# Altium PCB Beagle93.PCBDOC (part 7 of 7)
Units mm, origin at the board's own origin, x right, y up, seen from the top; angles counter-clockwise.
Board outline 86.3 x 85.3 mm, 6 copper layers (TopLayer, MidLayer1, MidLayer2, SignalLayer1, Internal Plane 1, BottomLayer), stack 1.528 mm thick; 387 components, 325 nets, 1796 pads, 884 vias.
Unrouted connection lines stored in the file: 7.
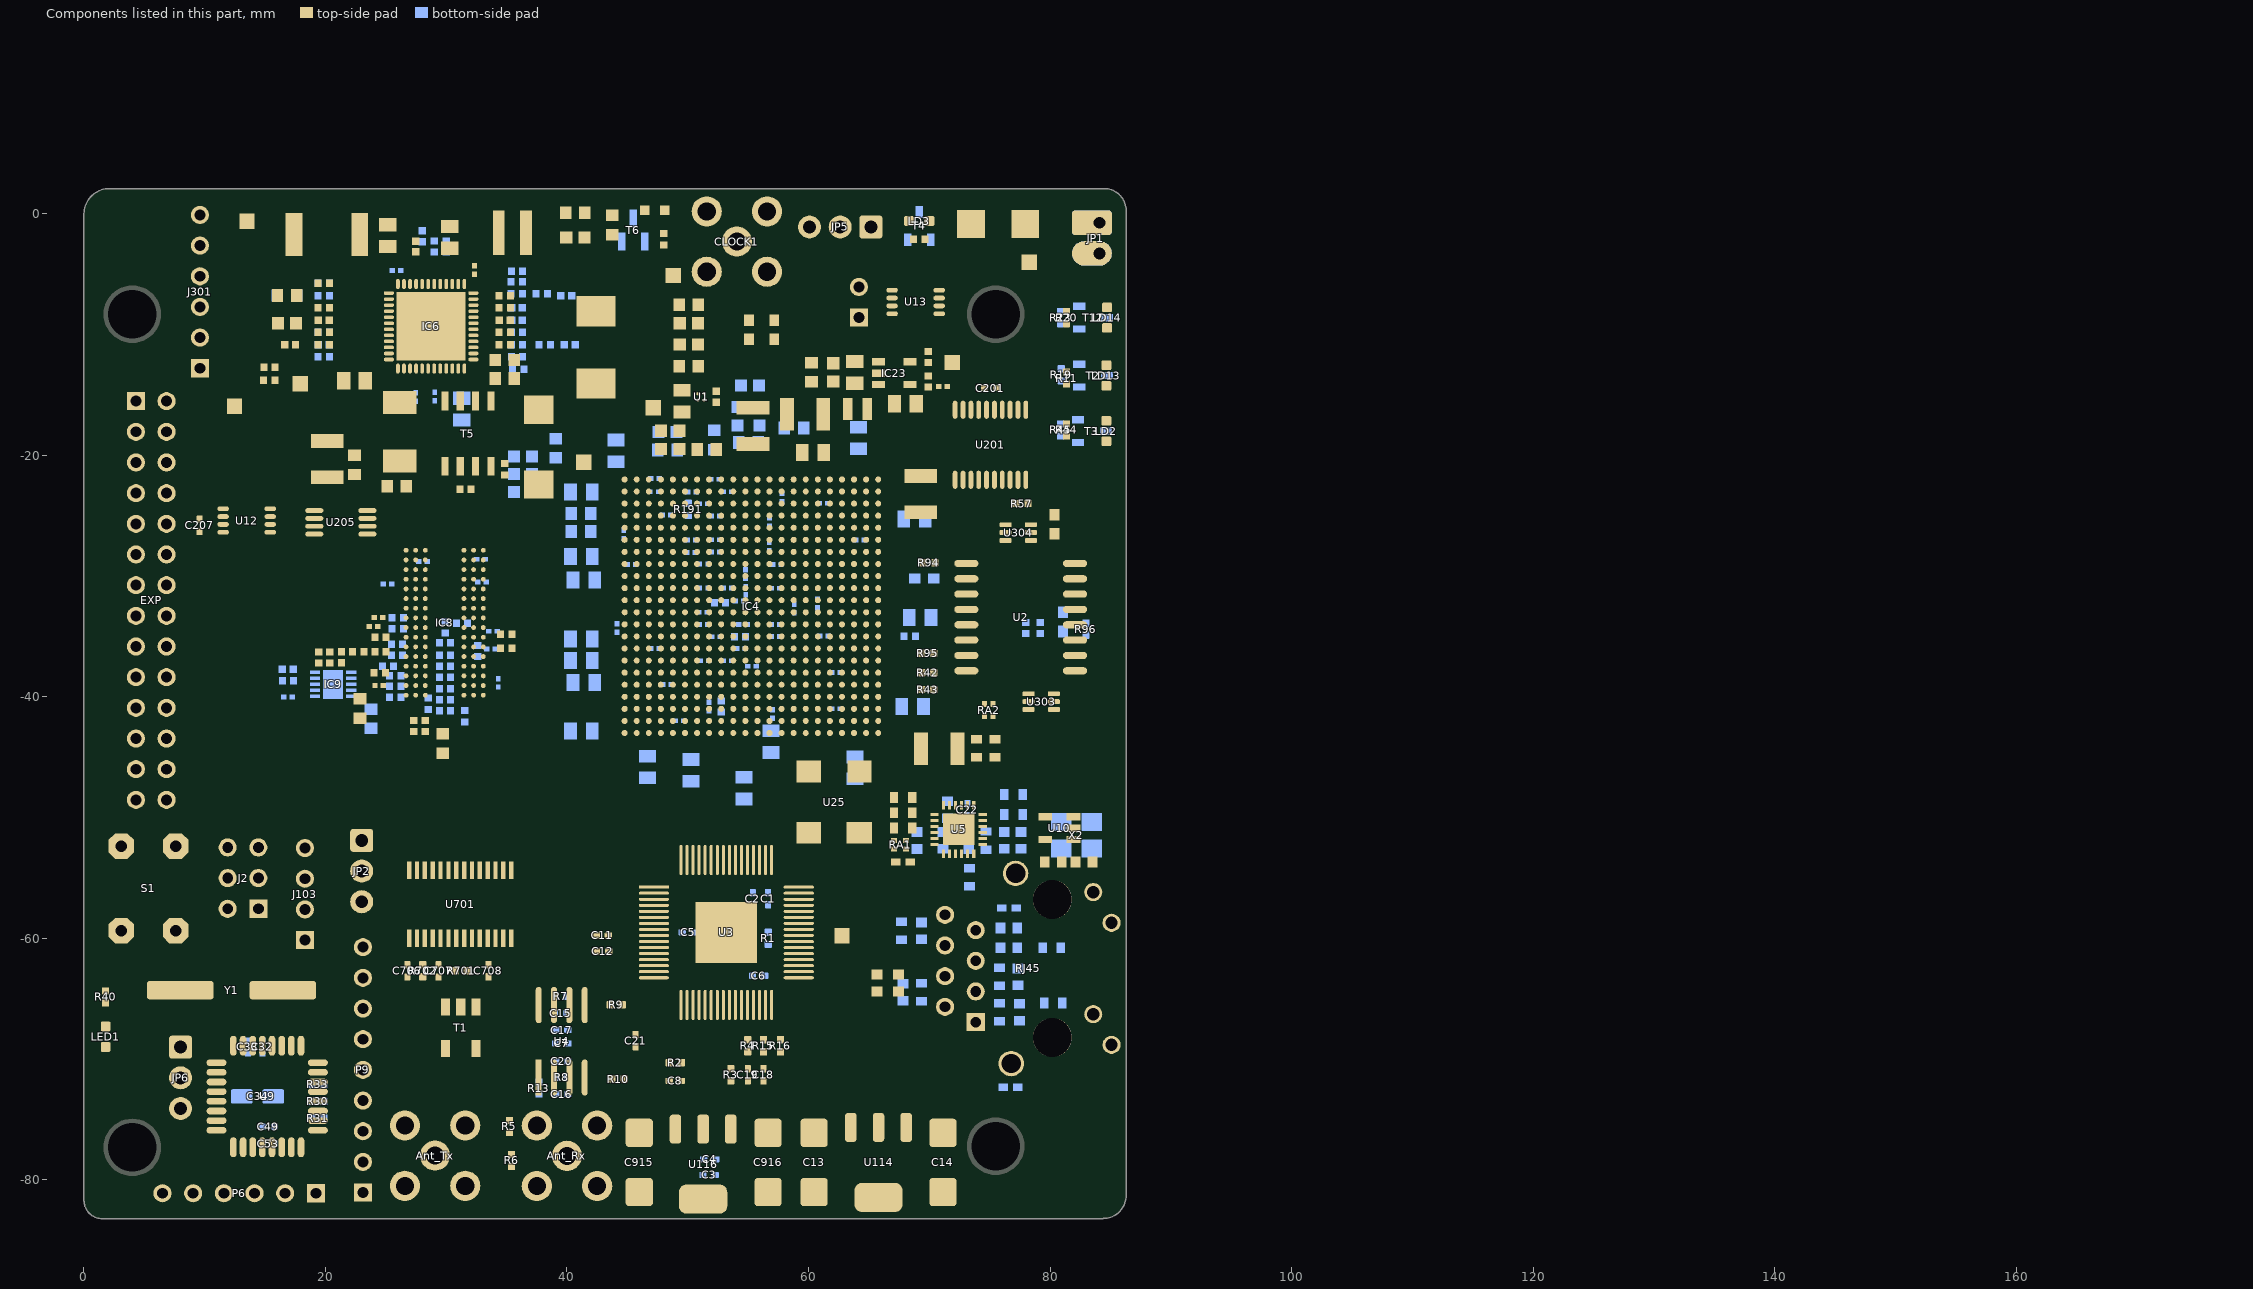
[diagram p11: the components of this part, seen from the top]

## Polygon pours and split planes (outlines as drawn) (continued)
NetC145_2 on BottomLayer "NETC145_2_L06_P157" (solid, pour order 89): 21.65,-16.05 18.895,-16.05 18.895,-10.3 20.139,-10.3 20.139,-12.3 21.4,-12.3 21.65,-12.55
NetC150_1 on BottomLayer "NETC150_1_L06_P158" (solid, remove dead copper, pour order 90): 19.9,-9.3 19.9,-12.3 21.094,-12.3 21.476,-11.05 24.65,-11.05 24.65,-9.3
P1V5 on BottomLayer "P1V5_L06_P152" (solid, remove dead copper, pour order 84): 43.65,-28.933 41.346,-28.933 41.4,-22.3 42.65,-22.3 43.65,-23.3
GND on BottomLayer "GND_L06_P171" (solid, pour order 93): 40.9,-29.05 38.9,-29.05 37.15,-27.3 37.15,-25.55 40.9,-22.55
MGTAVCC on BottomLayer "MGTAVCC_L06_P154" (solid, remove dead copper, pour order 86): 48.65,-17.55 48.65,-20.05 50.4,-20.05 51.65,-18.8 51.65,-17.55
NetC145_2 on BottomLayer "NETC145_2_L06_P155" (solid, remove dead copper, pour order 87): 36.15,-24 36.15,-19.05 46.4,-19.05 48.344,-19.05 48.344,-17.381 53.473,-17.242 53.473,-14.971 54.918,-14.971 54.918,-13.422 48.547,-13.29 46.4,-15.437 33.9,-15.437 33.9,-16.05 33.9,-19.189 29.941,-19.189 29.15,-18.755 28.611,-17.99 24.517,-18.164 24.517,-24
MGTAVTT on BottomLayer "MGTAVTT_L06_P156" (solid, pour order 88): 53.4,-20.3 46.9,-20.3 46.9,-24.3 54.65,-24.3 54.65,-21.55
VCCBRAM on BottomLayer "VCCBRAM_L06_P161" (solid, pour order 91): 56.272,-25.826 58.4,-22.8 58.4,-13.3 55.395,-13.3 54.871,-26.603 54.871,-28.748 53.877,-29.494 53.877,-34.3 56.272,-34.3
GND on BottomLayer "GND_L06_P176" (solid, pour order 94): 21.65,-11.3 24.65,-11.3 24.65,-15.8 23.65,-16.8 21.9,-16.8 21.9,-12.55 21.649,-12.299
P1V8 on BottomLayer "Bottom Layer-No Net 1" (solid, pour order 48): -0.038,-13.715 -0.018,-13.735 4.702,-13.735 8.022,-13.735 8.982,-14.695 10.342,-16.055 19.662,-16.055 21.776,-16.055 21.776,-16.907 23.712,-16.907 24.704,-15.816 24.65,-12.299 24.704,-12.245 30.202,-12.245 32.752,-12.245 34.152,-13.645 40.152,-13.645 44.302,-13.645 45.952,-11.995 50.912,-7.035 57.022,-7.035 60.312,-7.035 64.752,-11.475 65.492,-12.215 65.492,-15.495 65.492,-16.375 65.392,-16.475 65.169,-16.698 58.4,-16.698 58.4,-13.3 58.4,-13.4 48.572,-13.369 48.516,-13.369 48.452,-13.305 46.352,-15.405 45.412,-15.405 33.993,-15.405 31.891,-13.303 31.755,-13.167 28.719,-13.167 28.714,-17.826 28.714,-17.933 28.532,-18.115 28.382,-18.265 22.452,-18.265 21.512,-18.265 19.502,-20.275 19.042,-20.735 19.042,-23.475 19.042,-24.535 18.472,-25.105 17.742,-25.835 -0.038,-25.835
P1V8 on BottomLayer "Bottom Layer-No Net 1" (solid, pour order 50): 14.062,-25.835 22.682,-25.835 24.517,-24 24.517,-17.42 24.252,-17.155 24.132,-17.035 18.052,-17.035
CK_GTP_125_N on BottomLayer "Bottom Layer-No Net 1" (solid, pour order 55): 49.772,1.215 50.472,1.915 50.972,1.915 57.672,1.915 57.972,1.615 58.172,1.415 58.172,-1.285 58.172,-5.885 57.972,-6.085 57.672,-6.385 56.872,-6.385 50.572,-6.385 49.772,-5.585
GND on BottomLayer "Bottom Layer-No Net 1" (solid, pour order 54): 24.772,-74.485 25.472,-73.785 25.972,-73.785 32.672,-73.785 32.972,-74.085 33.172,-74.285 33.172,-76.985 33.172,-81.585 32.972,-81.785 32.672,-82.085 31.872,-82.085 25.572,-82.085 24.772,-81.285
GND on BottomLayer "Bottom Layer-No Net 1" (solid, pour order 52): 35.672,-74.485 36.372,-73.785 36.872,-73.785 43.572,-73.785 43.872,-74.085 44.072,-74.285 44.072,-76.985 44.072,-81.585 43.872,-81.785 43.572,-82.085 42.772,-82.085 36.472,-82.085 35.672,-81.285
P1V5 on SignalLayer1 "P1V5_L02_P144" (solid, pour order 80): 14.4,-8.3 14.4,-15.55 18.9,-20.05 18.9,-43.305 ccw(c21.385,78.024) 21.385,-43.331 ccw(c21.385,77.986) 24.12,-43.3 34.498,-43.3 38.199,-43.331 45.48,-36.05 49.65,-36.05 49.65,-28.25 45.9,-28.25 45.9,-25.55 44.4,-24.487 44.4,-16.8 42.15,-16.8 42.15,-11.506 23.15,-11.506 23.15,-8.3
P1V0 on SignalLayer1 "P1V0_L02_P145" (solid, remove dead copper, pour order 81): 49.15,-39.05 49.65,-39.05 50.15,-39.55 50.15,-41.8 50.65,-41.8 50.65,-43.3 50.15,-43.3 50.15,-44.78 54.15,-44.78 54.15,-37.55 54.15,-28.3 54.15,-26.8 49.9,-26.8 48.9,-25.8 48.9,-16.8 44.65,-16.8 44.65,-24.253 46.15,-25.3 46.15,-28.05 49.9,-28.05 49.9,-36.3 49.15,-36.3
VCCAUX on SignalLayer1 "VCCAUX_L02_P140" (solid, pour order 78): 58.9,-18.55 54.407,-18.55 54.407,-35.557 54.407,-42.3 54.407,-46.05 56.931,-46.05 56.881,-40.067 58.15,-40.067 58.161,-38.3 55.65,-38.3 55.675,-35.814 56.69,-35.814 56.69,-27.3 55.9,-27.3 55.899,-25.55 57.4,-25.55 57.4,-22.8 58.9,-21.3
MGTAVCC on SignalLayer1 "MGTAVCC_L02_P141" (solid, pour order 79): 52.934,-15.9 49.175,-15.9 49.175,-25.8 49.843,-26.485 53.467,-26.485 53.467,-16.434
VCC on SignalLayer1 "VCC_L04_P150" (solid, remove dead copper, pour order 82): 53.303,2.054 53.303,-2.264 51.221,-4.347 11.807,-4.347 11.807,12.761 38.354,12.761 49.824,2.155
5V on SignalLayer1 "Bottom Layer-No Net 1" (solid, pour order 53): 91.96,1.006 102.239,1.009 102.251,0.997 102.251,-16.196 102.285,-16.23 108.775,-16.23 108.814,-16.191 141.741,-16.191 141.761,-16.191 141.78,-16.172 143.781,-14.171 143.781,-14.105 143.862,-14.023 143.862,-9.594 143.726,-9.594 143.707,-9.575 140.303,-9.709 140.074,-9.489 138.416,-7.898 133.99,-3.653 131.639,-1.622 129.148,0.691 130.182,0.973 129.34,0.997 174.688,0.924 174.707,0.924 175.695,0.477 176.167,-0.535 176.167,-1.168 176.167,-82.669 176.138,-82.698 176.138,-82.717 175.598,-83.763 174.561,-84.293 172.586,-84.293 172.557,-84.323 172.518,-84.283 91.213,-84.283 90.294,-83.86 89.854,-82.925 89.854,-82.887 89.85,-1.007 89.85,-0.983 90.467,0.398 91.849,1.017 92.015,1.017
ADC_3.3D on MidLayer2 "Bottom Layer-No Net" (solid, remove dead copper, pour order 61): 63.172,-83.2 63.172,-66.485 63.172,-57.185 51.372,-57.185 51.372,-50.985 57.572,-50.985 59.172,-52.585 60.172,-53.585 62.972,-53.585 63.572,-53.585 64.772,-54.785 65.772,-55.785 65.772,-59.585 65.772,-72.385 66.972,-73.585 68.472,-75.085 68.472,-83.2
ADC3.3VA on MidLayer2 "Bottom Layer-No Net" (solid, remove dead copper, pour order 59): 44.472,-57.385 44.472,-62.385 44.472,-83.2 63.072,-83.2 63.072,-57.385
5V on MidLayer2 "Bottom Layer-No Net 1" (solid, pour order 60): 0,0 -0.028,-0.028 -0.028,-4.085 -0.028,-16.957 0,-16.985 86.2,-16.985 86.3,-16.885 86.3,0.3 86.072,0.528 85.779,1.579 84.5,2.1 2.1,2.1 0.608,1.492
GND on Internal Plane 1 (split plane): 2.1,1.59 84.5,1.59 84.513,1.591 84.645,1.583 84.787,1.559 84.927,1.519 85.06,1.464 85.187,1.394 85.305,1.31 85.413,1.213 85.51,1.105 85.594,0.987 85.664,0.86 85.719,0.727 85.759,0.587 85.783,0.445 85.791,0.316 85.79,0.306 85.79,0.303 85.79,0.3 85.79,-81.3 85.791,-81.313 85.783,-81.454 85.757,-81.606 85.714,-81.755 85.655,-81.897 85.581,-82.032 85.491,-82.158 85.388,-82.273 85.273,-82.376 85.147,-82.466 85.012,-82.54 84.87,-82.599 84.721,-82.642 84.569,-82.668 84.429,-82.676 84.415,-82.675 84.374,-82.679 84.315,-82.684 84.298,-82.69 1.5,-82.69 1.488,-82.691 1.371,-82.683 1.243,-82.658 1.121,-82.616 1.004,-82.559 0.896,-82.487 0.799,-82.401 0.713,-82.304 0.641,-82.196 0.584,-82.079 0.542,-81.957 0.517,-81.829 0.509,-81.712 0.51,-81.7 0.51,0 0.509,0.016 0.518,0.178 0.548,0.354 0.597,0.526 0.666,0.691 0.752,0.847 0.855,0.993 0.974,1.126 1.107,1.245 1.253,1.348 1.409,1.434 1.574,1.503 1.746,1.552 1.922,1.582 2.084,1.591

## Keep-outs
KeepOutLayer:
  lines w0.01: 84.4,-83.2 1.5,-83.2 cw(c1.5,-81.7) 0,-81.7 0,0 cw(c2.1,0) 2.1,2.1 84.5,2.1 cw(c84.5,0.3) 86.3,0.3 86.3,-81.3 cw(c84.415,-81.3) 84.415,-83.185

## Other copper
TopLayer:
  rectangle net NetC155_1: 24.4,-8.5 24.7,-8.05
  rectangle net NetC134_1: 32.433,-18.3 34.65,-16.583
  rectangle net VCCAUX: 57.3,-20.8 58.65,-19.561
  pour cut-out: 26,-12.802 26,-13.331 27.15,-13.331 27.15,-12.8
  pour cut-out: 24.7,-9.2 24.7,-7.8 25.5,-7.8 25.5,-9.2
MidLayer1:
  pour cut-out: 58.975,-16.156 59.021,-16.202 59.356,-16.202 59.356,-16.429 59.388,-16.462 58.812,-16.462
  pour cut-out: 52.183,-13.548 52.183,-13.058 52.175,-13.05 52.625,-13.05 52.625,-13.583 52.648,-13.607
MidLayer2:
  rectangle net P2V5: 44.905,-6.997 46.822,-5.28
  pour cut-out: 33.307,-6.085 33.312,-6.09 33.312,-6.462 33.888,-6.462 33.884,-6.457 33.884,-6.085
  pour cut-out: 51.954,-13.071 52.383,-13.071 52.372,-13.083 52.372,-13.903 51.375,-13.903
SignalLayer1:
  pour cut-out: 26.498,-4.365 26.498,-4.673 26.562,-4.737 26.918,-4.737 27.067,-4.587 27.067,-4.271
  pour cut-out: 26.562,-5.313 26.562,-6.22 cw(c26.228,-6.22) 26.464,-6.455 27.607,-6.455 ccw(c26.131,-6.455) 27.175,-5.412 27.101,-5.338
BottomLayer:
  rectangle net P1V5: 42.237,-28.682 42.949,-28.377
  rectangle net GND: 39.494,-37.369 40.296,-36.988
  rectangle net GND: 22.15,-16.3 23.4,-15.3
  rectangle net GND: 22.65,-12.446 24.049,-11.3
  pour cut-out: 51.1,-34.15 51.114,-34.137 52.077,-34.137 52.1,-34.16 52.1,-34.7 52.098,-34.702 52.098,-35.007 51.812,-34.721 51.487,-34.721 51.487,-34.536
  pour cut-out: 42.748,-22.191 42.748,-22.613 43.17,-22.613 ccw(c42.168,-23.193)

## Silkscreen, mask and mechanical layers (free items; w line width, h text height)
TopOverlay:
  drawing of 845 lines, arcs and shapes, not listed
  text "I2C SW" at 59.872,-4.285 h1
  text "SDA" at 59.672,-6.485 h1
  text "SCL" at 59.772,-9.085 h1
Mechanical1:
  lines w0.254: 0,-81.7 0,0 ; 1.5,-83.2 84.4,-83.2 ; 2.1,2.1 84.5,2.1 ; 86.3,-81.3 86.3,0.3

## Text inside footprints (layer, text, board x,y; h text height)
EXP: TopOverlay "2" at 6.332,-12.96 h1 r270; TopOverlay "1" at 3.792,-12.96 h1 r270
IC8: Mechanical14 "L" at 25.267,-36.051 h1; Mechanical14 "K" at 25.267,-35.251 h1; Mechanical14 "M" at 25.267,-36.851 h1; Mechanical14 "H" at 25.267,-33.651 h1; Mechanical14 "G" at 25.267,-32.851 h1; Mechanical14 "F" at 25.267,-32.051 h1; Mechanical14 "E" at 25.267,-31.251 h1; Mechanical14 "D" at 25.267,-30.451 h1; Mechanical14 "C" at 25.267,-29.651 h1; Mechanical14 "B" at 25.267,-28.851 h1; Mechanical14 "N" at 25.267,-37.651 h1; Mechanical14 "P" at 25.267,-38.451 h1; Mechanical14 "R" at 25.267,-39.251 h1; Mechanical14 "J" at 25.267,-34.451 h1; Mechanical14 "T" at 25.267,-40.051 h1; Mechanical14 "1" at 26.542,-26.576 h1; Mechanical14 "2" at 27.342,-26.576 h1; Mechanical14 "3" at 28.142,-26.576 h1; Mechanical14 "7" at 31.342,-26.576 h1; Mechanical14 "8" at 32.142,-26.576 h1; Mechanical14 "9" at 32.942,-26.576 h1
J2: TopOverlay "1" at 14.84,-59.64 h1 r90; TopOverlay "5" at 14.94,-50.54 h1 r90; TopOverlay "6" at 12.102,-50.6 h1 r90
JP2: TopOverlay "1" at 20.1,-51.718 h1 r270; TopOverlay "3" at 20.1,-56.718 h1 r270
JP5: TopOverlay "1" at 65.324,1.822 h1 r180; TopOverlay "3" at 60.324,1.822 h1 r180
JP6: TopOverlay "1" at 5.1,-68.84 h1 r270; TopOverlay "3" at 5.1,-73.84 h1 r270
P9: TopOverlay "9" at 21.262,-61.85 h1 r90